# Altium PCB 1 040 1573.rev01.PcbDoc (part 2 of 3)
Units mm, origin at the board's own origin, x right, y up, seen from the top; angles counter-clockwise.
Board outline 106.1 x 59.15 mm, 2 copper layers (Top Layer, Bottom Layer); 130 components, 89 nets, 433 pads, 228 vias.
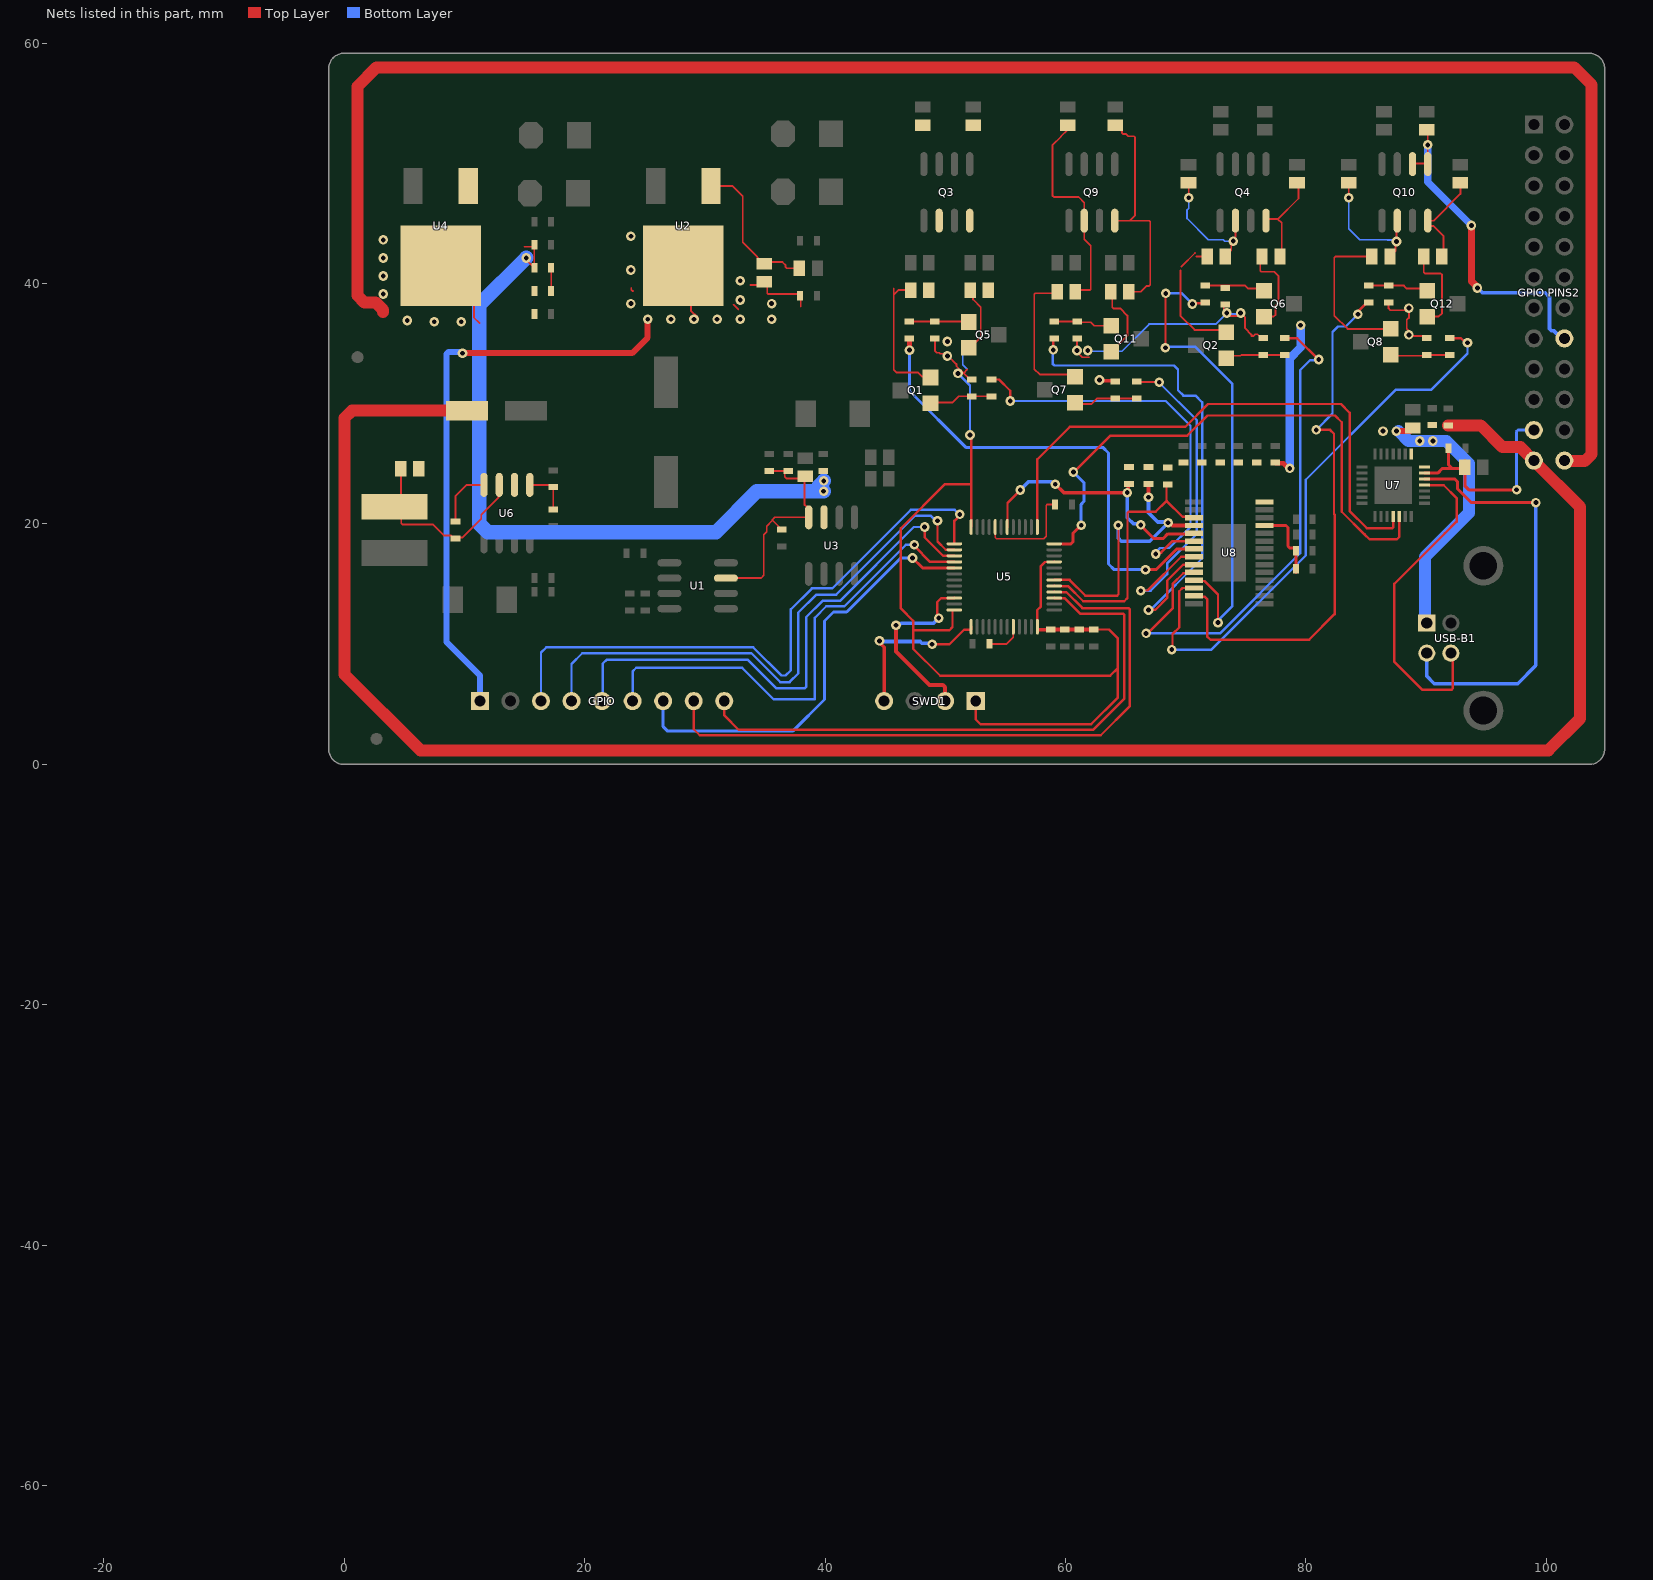
[diagram p2: the nets of this part, all layers, seen from the top]

## Via types
v1: diameter 0.8, hole 0.4, Top Layer to Bottom Layer, tented both sides, 228 vias

## Nets (pads, with @x,y where several pads share a name; then routed paths per layer and width w, separated by ;. In a path a pad name is that pad's centre, name@x,y a point inside that pad or via, vN(x,y) a via of type N, cw(c..) or ccw(c..) an arc to the next point about the centre after c; other vN are vias at no path point) (continued)
"NetGPIO PINS2_20": "GPIO PINS2.20" Q10.5 Q10.6 R48.1 | length 28.3
  Top Layer w0.152: Q10.6@88.862,49.926 88.912,49.976 90.082,49.976 Q10.5@90.132,49.926 v1(90.132,51.528) 90.132,52.708 R48.1@90.045,52.795
  Top Layer w0.6: v1(93.755,44.825) 93.755,40.179 94.255,39.679 v1(94.255,39.625)
  Bottom Layer w0.3: v1(94.255,39.625) 94.281,39.625 94.681,39.225 99.886,39.225 100.255,38.856 100.255,36.233 100.431,36.057 100.621,36.057 101.245,35.433 101.489,35.433
  Bottom Layer w0.6: v1(90.132,51.528) 90.132,48.448 v1(93.755,44.825)
NetL1_1: L1.1 R49.2 R50.1 U6.7 | length 16.3
  Top Layer w0.152: R49.2@4.705,24.586 4.73,24.561 4.73,21.976 L1.1@4.185,21.431 4.756,20.86 4.756,20.054 4.845,19.965 7.385,19.965 8.301,19.049 8.872,19.049 9.115,18.806 R50.1@9.265,18.806 9.343,18.884 9.86,18.884 11.411,20.435 11.411,20.765 12.857,22.211 12.857,23.202 U6.7@12.908,23.253
NetQ1_2: Q1.2 R9.2 R11.2 | length 5
  Top Layer w0.152: Q1.2@49.102,30.096 50.594,30.096 51.118,30.62 R11.2@52.199,30.62 R9.2@53.85,30.62
NetQ1_3: Q1.3 R14.1 | length 11.9
  Top Layer w0.152: 45.722,39.067 46.103,39.448 R14.1@47.131,39.448 ; 45.722,39.575 45.722,32.844 45.976,32.59 47.754,32.59 48.089,32.255 Q1.3@49.102,32.255
NetQ2_2: Q2.2 R10.2 R12.2 | length 4.7
  Top Layer w0.152: Q2.2@73.613,33.779 73.821,33.987 74.551,33.987 74.613,34.049 R12.2@76.456,34.049 R10.2@78.234,34.049
NetQ2_3: Q2.3 R16.1 | length 10.6
  Top Layer w0.152: 69.555,41.096 69.555,37.331 70.741,36.146 73.151,36.146 Q2.3@73.359,35.938 ; 69.655,41.425 70.768,42.538 ; 70.868,42.242 R16.1@71.781,42.242
NetQ3_2: Q3.2 R13.1 R14.2
NetQ3_4: Q3.4 R23.1 R24.2
NetQ4_2: Q4.2 R15.1 R16.2 | length 10.9
  Top Layer w0.152: R15.1@70.233,48.362 70.255,48.339 v1(70.255,47.125) ; R16.2@73.281,42.242 73.789,42.75 73.789,43.56 74.13,43.901 Q4.2@74.13,45.226
  Bottom Layer w0.152: v1(70.255,47.125) 70.255,46.258 70.106,46.108 70.106,45.417 71.884,43.639 73.122,43.639 73.252,43.509 73.665,43.509 v1@73.789,43.385
  other v1: 73.955,43.525
NetQ4_4: Q4.4 R25.1 R26.2 | length 9.1
  Top Layer w0.152: R26.2@77.841,42.369 77.98,42.508 77.98,45.036 77.663,45.353 76.67,45.353 77.662,45.353 79.377,47.068 79.377,48.362 R25.1@79.25,48.489
NetQ5_2: Q5.2 R19.2 R21.2 | length 5
  Top Layer w0.152: R19.2@46.992,36.846 49.151,36.846 51.882,36.846 Q5.2@51.993,36.735
NetQ5_3: Q5.3 R24.1 | length 5.7
  Top Layer w0.152: Q5.3@51.993,34.576 52.955,35.538 52.955,38.032 52.308,38.679 52.308,38.945 51.945,39.309 R24.1@52.084,39.448
NetQ6_2: Q6.2 R20.2 R22.2 | length 5.1
  Top Layer w0.152: R20.2@71.63,39.829 73.154,39.829 74.932,39.829 75.186,39.575 76.331,39.575 Q6.2@76.504,39.402
NetQ6_3: Q6.3 R26.1 | length 7.3
  Top Layer w0.152: R26.1@76.341,42.242 76.202,42.103 76.202,41.061 76.291,40.972 77.345,40.972 77.726,40.591 77.726,38.432 77.472,38.178 77.472,37.416 77.299,37.243 Q6.3@76.504,37.243
NetQ7_2: Q7.2 R29.2 R31.2 | length 5.1
  Top Layer w0.152: Q7.2@61.04,29.969 62.151,29.969 62.613,30.431 R31.2@64.137,30.431 R29.2@65.915,30.431
NetQ7_3: Q7.3 R34.1 | length 11.7
  Top Layer w0.152: R34.1@59.323,39.321 59.196,39.194 57.495,39.194 57.406,39.105 57.406,32.885 57.855,32.436 60.605,32.436 Q7.3@60.659,32.382
NetQ8_2: Q8.2 R30.2 R32.2 | length 5
  Top Layer w0.152: Q8.2@87.075,33.779 87.283,33.987 89.983,33.987 R32.2@90.045,34.049 R30.2@91.95,34.049
NetQ8_3: Q8.3 R36.1 | length 13.3
  Top Layer w0.152: R36.1@85.485,42.242 82.444,42.242 82.355,42.153 82.355,37.325 83.455,36.225 86.788,36.225 Q8.3@87.075,35.938
NetQ9_2: Q9.2 R33.1 R34.2 | length 17.7
  Top Layer w0.152: R33.1@60.2,52.795 60.175,52.795 59.626,52.246 59.626,52.221 58.93,51.525 58.93,47.284 59.019,47.195 61.089,47.195 61.557,46.727 Q9.2@61.557,45.226 61.557,43.679 62.105,43.131 62.105,39.537 62.016,39.448 60.95,39.448 R34.2@60.823,39.321
NetQ9_4: Q9.4 R43.1 R44.2 | length 19.4
  Top Layer w0.152: Q9.4@64.097,45.226 65.343,45.226 ; R43.1@64.137,52.795 64.543,52.795 64.711,52.627 64.711,52.514 64.8,52.425 65.055,52.425 65.234,52.246 65.69,52.246 65.788,52.148 65.788,45.671 65.343,45.226 ; R44.2@65.268,39.321 66.276,39.321 66.755,39.8 66.966,39.8 67.055,39.889 67.055,45.137 66.966,45.226 65.343,45.226
NetQ10_2: Q10.2 R35.1 R36.2 | length 11.4
  Top Layer w0.152: v1(83.555,47.125) 83.555,48.349 R35.1@83.568,48.362 ; R36.2@86.985,42.242 87.455,42.712 87.455,43.425 v1(87.523,43.493) 87.523,45.157 Q10.2@87.592,45.226
  Bottom Layer w0.152: v1(83.555,47.125) 83.555,44.54 84.457,43.639 86.743,43.639 86.758,43.624 87.081,43.624 87.28,43.425 v1@87.455,43.425
NetQ10_4: Q10.4 R45.1 R46.2 | length 8.3
  Top Layer w0.152: R46.2@91.303,42.242 91.442,42.381 91.442,43.916 90.57,44.787 90.338,44.787 90.132,44.994 Q10.4@90.132,45.226 90.616,45.226 92.839,47.449 R45.1@92.839,48.362
NetQ11_2: Q11.2 R39.2 R41.2 | length 4.9
  Top Layer w0.152: R39.2@59.057,36.846 R41.2@60.962,36.846 61.027,36.781 62.105,36.781 62.405,36.481 Q11.2@63.804,36.481
NetQ11_3: Q11.3 R44.1 | length 6.5
  Top Layer w0.152: R44.1@63.768,39.321 63.883,39.206 63.883,38.013 63.972,37.924 64.556,37.924 65.153,37.327 65.153,35.67 Q11.3@63.804,34.322
NetQ12_2: Q12.2 R40.2 R42.2 | length 5.1
  Top Layer w0.152: R40.2@85.219,39.829 R42.2@86.87,39.829 88.14,39.829 88.394,39.575 89.92,39.575 Q12.2@90.093,39.402
NetQ12_3: Q12.3 R46.1 | length 7.4
  Top Layer w0.152: R46.1@89.803,42.242 89.791,42.23 89.791,40.934 89.88,40.845 91.188,40.845 91.315,40.718 91.315,37.543 91.015,37.243 Q12.3@90.093,37.243
NetR1_2: R1.2 R2.2 U2.1 | length 12.5
  Top Layer w0.152: U2.1@30.52,48.121 32.286,48.121 33.163,47.244 33.163,43.422 34.367,42.218 34.367,42.193 34.916,41.644 R2.2@34.941,41.644 ; R2.2@35.08,41.783 36.465,41.783 36.719,41.529 36.719,41.364 36.808,41.275 R1.2@37.874,41.275
NetR4_1: R4.1 R5.2 | length 1.8
  Top Layer w0.152: R5.2@17.226,39.37 R4.1@17.226,41.148
NetR5_1: R5.1 R6.2 U4.1
NetR7_2: R7.2 U5.44 | length 3.1
  Top Layer w0.152: R7.2@53.68,10.025 55.105,10.025 55.652,10.572 55.652,11.447 U5.44@55.655,11.45
NetR8_1: R8.1 U5.20 | length 8.6
  Top Layer w0.152: U5.20@54.155,19.75 54.155,18.875 54.26,18.77 58.2,18.77 58.405,18.975 58.405,21.536 58.494,21.625 R8.1@59.105,21.625
NetR9_1: R9.1 U8.6 | length 34.6
  Top Layer w0.2: R9.1@53.85,32.02 54.46,32.02 55.405,31.075 v1(55.405,30.225) ; v1(67.505,17.5) 67.62,17.615 67.948,17.615 68.91,18.577 U8.6@70.681,18.577
  Bottom Layer w0.2: v1(55.405,30.225) 68.338,30.225 70.394,28.169 70.394,19.764 68.632,18.002 67.845,18.002 67.505,17.662 v1(67.505,17.5)
NetR10_1: R10.1 U8.10 | length 43.5
  Top Layer w0.2: v1(66.705,10.9) 66.83,10.9 68.909,12.979 68.909,15.018 69.797,15.906 70.61,15.906 U8.10@70.681,15.977 ; R10.1@78.234,35.449 79.256,35.449 81.03,33.675 v1(81.055,33.675)
  Bottom Layer w0.2: v1(66.705,10.9) 72.846,10.9 79.526,17.58 79.526,32.796 80.355,33.625 81.005,33.625 v1(81.055,33.675)
NetR19_1: R19.1 U8.7 | length 40.3
  Top Layer w0.25: v1(66.655,16.2) 67.53,16.2 69.236,17.906 70.66,17.906 U8.7@70.681,17.927
  Top Layer w0.4: R19.1@46.992,35.446 47.023,35.414 v1(47.023,34.457)
  Bottom Layer w0.25: v1(47.023,34.457) 47.023,31.057 51.705,26.375 63.098,26.375 63.567,25.906 63.567,16.679 64.046,16.2 v1(66.655,16.2)
NetR20_1: R20.1 U8.11 | length 40.3
  Top Layer w0.2: v1(68.305,34.65) 68.317,34.662 68.317,39.162 v1(68.33,39.175) ; v1(70.555,38.3) 70.619,38.364 71.565,38.364 R20.1@71.63,38.429 ; U8.11@70.681,15.327 70.752,15.256 71.565,15.256 72.68,14.141 v1(72.68,11.8)
  Bottom Layer w0.2: v1(68.305,34.65) 68.405,34.75 70.78,34.75 73.855,31.675 73.855,13.137 72.68,11.962 v1(72.68,11.8) ; v1(68.33,39.175) 69.68,39.175 v1(70.555,38.3)
NetR29_1: R29.1 U8.8 | length 28.5
  Top Layer w0.2: R29.1@65.915,31.831 65.94,31.805 67.776,31.805 v1(67.801,31.78) ; v1(66.255,14.45) 66.275,14.47 66.825,14.47 69.632,17.277 U8.8@70.681,17.277
  Bottom Layer w0.2: v1(66.255,14.45) 67.08,14.45 68.455,15.825 68.455,16.7 70.915,19.16 70.915,28.636 67.801,31.75 v1(67.801,31.78)
NetR30_1: R30.1 U8.12 | length 47.5
  Top Layer w0.2: v1(68.843,9.55) 68.901,9.609 68.901,10.846 69.455,11.4 69.455,14.4 69.732,14.677 U8.12@70.681,14.677 ; R30.1@91.95,35.449 92.894,35.449 93.268,35.075 v1(93.43,35.075)
  Bottom Layer w0.2: v1(68.843,9.55) 72.138,9.55 79.98,17.392 79.98,23.684 87.446,31.15 90.405,31.15 93.43,34.175 v1(93.43,35.075)
NetR39_1: R39.1 U8.9 | length 42.4
  Top Layer w0.2: v1(58.98,34.475) 58.98,35.296 59.068,35.384 R39.1@59.118,35.384 ; v1(66.905,12.85) 66.925,12.87 67.475,12.87 68.455,13.85 68.455,15.285 69.776,16.606 70.66,16.606 U8.9@70.681,16.627
  Top Layer w0.3: R39.1@59.057,35.446 R39.1@59.118,35.384
  Bottom Layer w0.2: v1(58.98,34.475) 58.955,34.45 58.955,33.296 59.072,33.179 69.026,33.179 69.355,32.85 69.355,31.125 69.805,30.675 70.805,30.675 71.369,30.111 71.369,17.153 67.067,12.85 v1(66.905,12.85)
NetR40_1: R40.1 U8.13 | length 45.4
  Top Layer w0.2: U8.13@70.681,14.027 70.752,13.956 71.565,13.956 71.73,13.791 71.773,13.749 71.773,10.657 72.055,10.375 80.255,10.375 82.384,12.504 82.384,20.762 82.326,20.82 82.326,27.504 82.005,27.825 v1(80.855,27.825) ; v1(84.32,37.44) 84.32,37.68 85.069,38.429 R40.1@85.219,38.429
  Bottom Layer w0.2: v1(80.855,27.825) 82.205,29.175 82.205,35.958 82.672,36.425 83.305,36.425 v1(84.32,37.44)
NetR50_2: R50.2 U6.8 | length 4.9
  Top Layer w0.152: R50.2@9.265,20.206 9.265,22.3 10.218,23.253 U6.8@11.638,23.253
NetR51_2: R51.2 R52.1 U6.5 | length 3.9
  Top Layer w0.152: U6.5@15.448,23.253 16.353,23.253 16.37,23.236 17.219,23.236 R51.2@17.393,23.062 R52.1@17.393,21.222
NetR53_1: R53.1 U5.5 U8.3 | length 21.8
  Top Layer w0.2: U5.5@59.055,14.85 59.065,14.84 59.625,14.84 59.636,14.829 60.217,14.829 61.471,13.575 64.888,13.575 65.155,13.842 65.155,20.908 65.272,21.025 67.505,21.025 68.405,21.925 69.732,20.598 70.61,20.598 U8.3@70.681,20.527 ; 68.401,21.921 68.401,23.196 R53.1@68.505,23.3
NetR55_1: R55.1 U5.6 U8.4 | length 24.1
  Top Layer w0.2: U5.6@59.055,15.35 60.338,15.35 61.642,14.046 64.288,14.046 64.405,14.163 64.405,19.875 v1(64.38,19.9)
  Top Layer w0.3: v1(66.905,22.225) R55.1@66.905,23.325 ; v1(68.53,20.1) 68.665,20.1 68.889,19.876 U8.4@70.68,19.876
  Bottom Layer w0.3: v1(64.38,19.9) 64.402,19.878 64.402,18.803 64.63,18.575 67.005,18.575 68.367,19.937 v1@68.367,20.063 ; v1(66.905,22.225) 66.905,20.939 67.68,20.164 68.302,20.164 68.367,20.1 v1(68.53,20.1)
NetR56_1: R56.1 U5.18 U8.5 | length 22.4
  Top Layer w0.2: U5.18@55.155,19.75 55.165,19.76 55.165,20.32 55.176,20.331 55.176,21.736 56.23,22.79 v1(56.23,22.825)
  Top Layer w0.25: v1(66.255,19.925) 66.255,19.875 67.355,18.775 68.103,18.775 68.509,19.181 70.635,19.181 U8.5@70.681,19.227
  Top Layer w0.3: v1(59.155,23.3) 59.842,22.612 v1(65.142,22.612) 65.211,22.681 65.211,23.256 R56.1@65.28,23.325
  Bottom Layer w0.3: v1(56.23,22.825) 56.905,23.5 58.82,23.5 59.02,23.3 v1(59.155,23.3) ; v1(65.142,22.612) 65.142,20.527 65.649,20.021 66.159,20.021 v1(66.255,19.925)
NetR57_2: R57.2 R58.2 U8.25 | length 6.2
  Top Layer w0.25: U8.25@76.557,19.877 78.325,19.877 78.501,19.701 78.501,18.159 78.677,17.983 79.055,17.983 79.155,17.883 R57.2@79.155,15.981
NetU5_12: U5.12 U7.26 | length 47
  Top Layer w0.2: v1(60.655,24.325) 60.71,24.325 63.735,27.35 70.128,27.35 71.803,29.025 82.421,29.025 82.98,28.466 82.98,21.012 84.856,19.136 84.873,19.136 85.284,18.725 87.555,18.725 87.755,18.925 U7.26@87.755,20.635
  Top Layer w0.25: 59.705,18.354 60.463,18.354 60.609,18.5 60.609,19.204 v1(61.305,19.9)
  Bottom Layer w0.25: v1(60.655,24.325) 61.526,23.454 61.526,21.862 61.305,21.641 v1(61.305,19.9)
NetU5_13: U5.13 U7.25 | length 46.9
  Top Layer w0.2: U5.13@57.659,19.975 57.659,25.379 60.355,28.075 69.955,28.075 71.855,29.975 82.905,29.975 83.63,29.25 83.63,21.075 85.065,19.64 87.166,19.64 87.255,19.729 U7.25@87.255,20.635
NetU7_4: U7.4 USB-B1.3 | length 27.3
  Top Layer w0.2: 90.305,23.221 91.459,23.221 92.53,22.15 92.53,20.2 91.555,19.225 87.355,15.025 87.355,8.525 89.68,6.2 92.088,6.2 92.205,6.317 92.205,9.095 USB-B1.3@92.045,9.255
NetU7_5: U7.5 USB-B1.2 | length 35.8
  Top Layer w0.25: U7.5@89.845,23.725 90.953,23.725 90.955,23.727 92.392,23.727 92.605,23.514 92.605,22.925 93.755,21.775 v1(99.119,21.775)
  Bottom Layer w0.3: USB-B1.2@90.045,9.255 90.045,7.354 90.674,6.725 97.605,6.725 99.119,8.239 v1(99.119,21.775)
PA8: GPIO.7 U5.29 | length 36.6
  Top Layer w0.25: v1(47.28,17.175) 48.105,16.35 U5.29@50.755,16.35
  Bottom Layer w0.25: GPIO.7@26.54,5.275 26.54,3.14 26.88,2.8 37.351,2.8 39.955,5.404 39.955,11.925 40.705,12.675 41.805,12.675 46.305,17.175 v1(47.28,17.175)
PB12: GPIO.3 U5.25 | length 51.5
  Top Layer w0.2: U5.25@50.755,18.35 50.755,20.26 51.205,20.71 v1(51.205,20.8)
  Bottom Layer w0.2: GPIO.3@16.38,5.275 16.38,9.3 16.83,9.75 34.022,9.75 36.376,7.396 36.726,7.396 37.155,7.825 37.155,12.9 38.904,14.649 40.604,14.649 47.13,21.175 50.788,21.175 51.163,20.8 v1(51.205,20.8)
PB13: GPIO.4 U5.26 | length 47.2
  Top Layer w0.2: v1(49.355,20.275) 49.355,18.548 50.043,17.86 50.745,17.86 U5.26@50.755,17.85
  Bottom Layer w0.2: GPIO.4@18.92,5.275 18.92,8.365 19.805,9.25 33.88,9.25 36.28,6.85 37.055,6.85 37.78,7.575 37.78,12.625 39.28,14.125 40.93,14.125 47.505,20.7 48.768,20.7 49.193,20.275 v1(49.355,20.275)
PB14: GPIO.5 U5.27 | length 43.9
  Top Layer w0.2: v1(48.28,19.75) 48.28,18.9 49.83,17.35 U5.27@50.755,17.35
  Bottom Layer w0.2: GPIO.5@21.505,5.32 21.505,8.375 21.855,8.725 33.555,8.725 35.955,6.325 38.313,6.325 38.43,6.442 38.43,12.25 39.788,13.608 41.238,13.608 47.38,19.75 v1(48.28,19.75)
PB15: GPIO.6 U5.28 | length 40.4
  Top Layer w0.2: v1(47.43,18.275) 47.43,18.165 48.745,16.85 U5.28@50.755,16.85
  Bottom Layer w0.2: GPIO.6@24,5.275 24,7.745 24.305,8.05 33.105,8.05 35.726,5.429 39.155,5.429 39.155,12.2 40.109,13.154 41.607,13.154 46.728,18.275 v1(47.43,18.275)
PC14: GPIO.9 U5.3 | length 49.5
  Top Layer w0.2: GPIO.9@31.505,5.265 31.63,5.14 31.63,4.075 32.826,2.879 62.301,2.879 64.901,5.479 64.901,12.429 64.784,12.546 61.216,12.546 59.921,13.84 59.065,13.84 U5.3@59.055,13.85
PC15: GPIO.8 U5.4 | length 54.8
  Top Layer w0.2: GPIO.8@29.08,5.275 29.08,2.925 29.58,2.425 62.93,2.425 65.355,4.85 65.355,12.883 65.238,13 61.404,13 60.075,14.329 59.636,14.329 59.625,14.34 59.065,14.34 U5.4@59.055,14.35
SWCLK: SWD1.2 U5.34 | length 15.4
  Top Layer w0.2: v1(49.455,12.175) 49.34,12.29 49.34,13.51 49.67,13.84 50.745,13.84 U5.34@50.755,13.85
  Top Layer w0.3: v1(45.905,11.575) 45.905,9.4 48.692,6.613 49.804,6.613 49.98,6.437 49.98,5.29 SWD1.2@49.995,5.275
  Bottom Layer w0.3: v1(45.905,11.575) 46.001,11.671 46.26,11.671 46.331,11.742 49.021,11.742 v1(49.455,12.175)
SWDIO: SWD1.4 U5.37 | length 13.6
  Top Layer w0.2: v1(48.905,10) 50.355,10 51.555,11.2 52.132,11.2 52.155,11.223 U5.37@52.155,11.45
  Top Layer w0.3: v1(44.53,10.275) 44.53,10.14 44.915,9.755 SWD1.4@44.915,5.275
  Bottom Layer w0.3: v1(44.53,10.275) 44.578,10.227 47.905,10.227 48.055,10.077 48.828,10.077 v1(48.905,10)
UART3V3: "GPIO PINS2.11" C22.2 C23.2 U7.6 | length 18.7
  Top Layer w0.25: U7.6@89.845,24.225 90.955,24.225 91.358,24.628 92.152,24.628 ; C23.2@91.867,26.289 91.867,24.913 92.152,24.628 ; C22.2@93.205,25.183 C22.2@93.205,24.725 ; C22.2@93.205,25.261 C22.2@93.205,24.725 ; v1(97.516,22.84) 93.536,22.84 93.205,23.171 93.205,24.628 C22.2@93.205,24.725 ; 92.152,24.628 93.108,24.628 C22.2@93.205,24.725
  Bottom Layer w0.25: v1(97.516,22.84) 97.493,22.863 97.493,27.667 97.639,27.813 98.949,27.813
VBUS: "GPIO PINS2.12" C18.1 C24.2 C25.1 C26.2 R49.1 U6.6 U7.7 U7.8 USB-B1.1 | length 192.8
  Top Layer w0.5: v1@87.705,27.725 88.631,27.725 C24.2@88.891,27.985
  Top Layer w1: C18.1@10.232,29.427 0.657,29.427 0.03,28.8 0.03,7.5 6.355,1.175 100.155,1.175 102.805,3.825 102.805,21.417 98.949,25.273 97.822,26.4 96.33,26.4 94.53,28.2 C26.2@91.825,28.2
  Bottom Layer w1: v1@87.705,27.725 88.53,26.9 91.676,26.9 93.555,25.021 93.555,20.925 89.88,17.25 89.88,11.92 USB-B1.1@90.045,11.755
  other v1: 89.455,26.9 90.555,26.9 86.405,27.725 87.515,27.725
VCC3V3: C7.2 C14.2 C15.2 C16.2 C17.2 C28.2 C29.1 C30.2 C31.2 C32.2 C33.2 GPIO.1 R2.1 R11.1 R12.1 R21.1 R22.1 R31.1 R32.1 R41.1 R42.1 R53.2 R55.2 R56.2 SWD1.1 U2.2 U5.9 U5.24 U5.36 U5.48 U8.28 | length 198.9
  Top Layer w0.152: 23.892,39.624 23.892,39.497 24.019,39.37 ; U2.2@28.22,41.471 28.845,40.846 28.845,37.729 29.399,37.175 29.124,37.175 29.099,37.15 28.78,37.15 v1@28.755,37.125 ; 32.401,38.227 32.782,37.846 ; 33.798,39.878 34.675,39.878 R2.1@34.941,40.144 ; R2.1@35.195,39.89 35.195,39.205 35.284,39.116 37.797,39.116 C7.2@37.924,38.989 37.989,38.924 37.989,38.1 ; R21.1@49.151,35.446 49.151,34.368 49.278,34.241 49.511,34.241 49.587,34.165 49.916,34.165 50.099,33.982 50.099,33.969 v1(50.181,33.969) 50.263,33.969 50.931,33.301 50.931,33.137 51.523,32.545 ; 51.832,32.855 51.523,32.545 ; R11.1@52.199,32.02 52.049,32.02 51.523,32.545 ; R41.1@60.962,35.446 60.955,35.439 v1(60.955,34.425) 60.955,34.29 61.385,33.86 61.958,33.86 ; R22.1@73.154,38.429 73.154,37.797 73.662,37.289 74.843,37.289 74.932,37.2 74.932,36.273 75.455,35.749 75.455,35.625 75.63,35.625 75.79,35.785 75.969,35.785 76.306,35.449 R12.1@76.456,35.449 ; R42.1@86.87,38.429 86.87,37.924 87.018,37.775 88.205,37.775 88.256,37.826 88.38,37.826 v1@88.405,37.8 ; v1@88.38,37.775 v1@88.405,37.8 ; v1(88.555,37.95) v1@88.405,37.8 ; R32.1@90.045,35.449 89.871,35.623 88.857,35.623 88.755,35.725 88.755,35.863 88.38,36.238 88.38,36.968 88.555,37.143 88.555,37.651 v1@88.405,37.8
  Top Layer w0.2: U5.36@50.755,12.85 50.628,12.85 50.605,12.827 50.605,11.425 50.33,11.15 47.334,11.15 47.33,11.146 ; v1(52.055,27.4) 52.145,27.31 52.145,23.291 ; U5.24@52.145,19.9 52.145,23.291 ; U5.24@52.155,19.75 U5.24@52.155,19.877 ; SWD1.1@52.535,5.275 52.535,3.745 52.93,3.35 62.13,3.35 64.355,5.575 64.355,8.025 ; U5.48@57.655,11.45 57.655,12.85 57.955,13.15 57.955,16.5 58.295,16.84 59.045,16.84 U5.9@59.055,16.85 ; C17.2@62.355,11.225 63.605,11.225 64.355,10.475 64.355,8.025 ; 47.33,11.146 47.33,11.95 46.305,12.975 46.305,19.65 49.946,23.291 52.145,23.291 ; 47.33,11.146 47.33,9.625 49.58,7.375 63.705,7.375 64.355,8.025
  Top Layer w0.3: U5.48@57.678,11.2 58.75,11.2 C14.2@58.775,11.225 C15.2@59.93,11.225 C16.2@61.13,11.225 C17.2@62.355,11.225 ; v1(62.83,31.975) 62.902,31.903 64.064,31.903 R31.1@64.137,31.831
  Top Layer w0.4: C30.2@77.429,25.095 77.479,25.045 78.127,25.045 78.547,24.625 v1(78.655,24.625)
  Top Layer w0.5: v1(9.855,34.2) 23.955,34.2 25.255,35.5 v1(25.255,37.025)
  Bottom Layer w0.152: 51.548,35.125 51.459,35.036 51.459,33.244 51.832,32.87 51.832,32.855 ; v1@62.105,34.368 64.698,34.368 66.955,36.625 72.49,36.625 v1(73.408,37.543) ; v1@73.408,37.465 v1@74.565,37.465
  Bottom Layer w0.2: v1(51.055,32.525) 52.055,31.525 v1(52.055,27.4)
  Bottom Layer w0.5: v1(9.855,34.2) 9.759,34.296 9.024,34.296 9.02,34.3 8.681,34.3 8.505,34.124 8.505,10.2 11.3,7.405 GPIO.1@11.3,5.275
  Bottom Layer w0.7: v1(78.655,24.625) 78.655,33.782 79.555,34.682 v1(79.555,36.525)
  other v1: 61.855,34.425 50.181,35.179 88.555,35.725 27.18,37.025 29.105,37.025 31.03,37.025 32.955,37.025 35.555,37.025 74.565,37.543 23.855,38.325 35.555,38.325 32.955,38.625 32.955,40.225 23.855,41.125 23.855,43.925
VCC5V: C9.2 C11.2 C12.2 R3.2 U1.3 U3.8 | length 19.2
  Top Layer w0.152: U1.3@31.762,15.498 34.678,15.498 34.905,15.725 34.905,19.1 35.155,19.35 35.155,19.822 35.635,20.302 ; C12.2@35.381,24.407 36.651,24.407 36.651,23.92 36.778,23.793 C9.2@38.163,23.793 ; R3.2@36.397,19.54 35.635,20.302 ; C9.2@38.302,23.932 38.302,21.585 38.643,21.244 U3.8@38.643,20.555 35.826,20.555 35.635,20.364 35.635,20.302
VCC12V: "GPIO PINS2.24" C2.2 C13.2 R4.2 U3.7 U4.2 | length 221.7
  Top Layer w0.152: U4.2@8.027,41.471 10.811,38.687 10.811,37.169 11.255,36.725 ; 15.002,43.053 15.826,43.053 R4.2@15.826,41.298 ; v1@15.155,41.825 15.298,41.825 15.522,41.601 ; 15.523,41.601 R4.2@15.826,41.298 ; R4.2@15.826,41.148 R4.2@15.826,41.298
  Top Layer w1: 3.255,37.625 3.255,37.796 2.626,38.425 1.691,38.425 1.105,39.011 1.105,56.375 2.705,57.975 102.305,57.975 103.755,56.525 103.755,25.811 103.169,25.225 101.537,25.225 101.489,25.273
  Bottom Layer w1.2: v1(15.155,42.125) 11.255,38.225 11.255,20.028 11.958,19.325 30.932,19.325 34.332,22.725 v1(39.88,22.725) ; 39.461,23.144 v1(39.898,23.581)
  other v1: 7.505,36.825 9.755,36.825 5.255,36.925 3.255,39.125 3.255,40.625 3.255,42.125 3.255,43.625
pads on no net: Designator12.Fiducial Designator13.Fiducial U5.1 U5.2 U5.7 U5.14 U5.15 U5.16 U5.17 U5.21 U5.22 U5.32 U5.33 U5.38 U5.39 U5.40 U5.41 U5.42 U5.43 U7.1 U7.2 U7.9 U7.10 U7.11 U7.12 U7.13 U7.14 U7.15 U7.16 U7.17 U7.18 U7.19 U7.20 U7.21 U7.22 U7.23 U7.24 U7.27 U7.28 U8.14 U8.15 U8.16 U8.17 U8.18 U8.19 U8.20 U8.21 U8.22 U8.23 U8.27

## Polygon pours and split planes (outlines as drawn)
GND on Bottom Layer "GND_L02_P298" (solid, remove dead copper, pour order 298): 0.205,59.2 103.51,59.2 104.83,57.88 104.83,1.27 103.56,0 0,0 -1.27,1.27 -1.27,57.88
PC14 on Bottom Layer "PC14_L02_P306" (solid, pour order 306): 32.475,6.75 32.825,6.4 32.825,4.175 32.55,3.9 30.805,3.9 30.576,4.129 30.576,6.571 30.755,6.75
PC15 on Bottom Layer "PC15_L02_P305" (solid, pour order 305): 29.935,6.75 30.285,6.4 30.285,4.175 30.01,3.9 28.265,3.9 28.036,4.129 28.036,6.571 28.215,6.75
PA8 on Bottom Layer "PA8_L02_P304" (solid, pour order 304): 27.395,6.75 27.745,6.4 27.745,4.175 27.47,3.9 25.725,3.9 25.496,4.129 25.496,6.571 25.675,6.75
PB15 on Bottom Layer "PB15_L02_P303" (solid, pour order 303): 24.855,6.75 25.205,6.4 25.205,4.175 24.93,3.9 23.185,3.9 22.956,4.129 22.956,6.571 23.135,6.75
PB14 on Bottom Layer "PB14_L02_P302" (solid, pour order 302): 22.36,6.795 22.71,6.445 22.71,4.22 22.435,3.945 20.69,3.945 20.461,4.174 20.461,6.616 20.64,6.795
PB13 on Bottom Layer "PB13_L02_P301" (solid, pour order 301): 19.775,6.75 20.125,6.4 20.125,4.175 19.85,3.9 18.105,3.9 17.876,4.129 17.876,6.571 18.055,6.75
PB12 on Bottom Layer "PB12_L02_P300" (solid, pour order 300): 17.235,6.75 17.585,6.4 17.585,4.175 17.31,3.9 15.485,3.9 15.11,4.275 15.11,6.55 15.31,6.75
VCC3V3 on Bottom Layer "VCC3V3_L02_P299" (solid, pour order 299): 12.155,6.75 12.505,6.4 12.505,4.175 12.23,3.9 10.405,3.9 10.03,4.275 10.03,6.55 10.23,6.75
NetC6_2 on Bottom Layer "NETC6_2_L02_P295" (solid, pour order 295): 100.924,28.969 102.869,28.969 103.211,28.627 103.211,27.023 102.942,26.755 100.968,26.755 100.661,27.062 100.661,28.705
NetC8_2 on Bottom Layer "NETC8_2_L02_P294" (solid, pour order 294): 100.974,31.469 102.919,31.469 103.261,31.127 103.261,29.523 102.992,29.255 101.018,29.255 100.711,29.562 100.711,31.205
NetC3_2 on Bottom Layer "NETC3_2_L02_P293" (solid, pour order 293): 100.328,33.905 102.273,33.905 102.615,33.564 102.615,31.96 102.346,31.691 100.372,31.691 100.065,31.999 100.065,33.642
"NetGPIO PINS2_17" on Bottom Layer "NETGPIO_PINS2_17_L02_P291" (solid, pour order 291): 100.974,44.469 102.919,44.469 103.261,44.127 103.261,42.523 103.065,42.327 101.205,42.327 100.711,42.821 100.711,44.205
"NetGPIO PINS2_4" on Bottom Layer "NETGPIO_PINS2_4_L02_P290" (solid, pour order 290): 97.868,46.737 99.813,46.737 100.155,46.395 100.155,44.986 99.869,44.7 97.861,44.7 97.605,44.956 97.605,46.473
"NetGPIO PINS2_3" on Bottom Layer "NETGPIO_PINS2_3_L02_P289" (solid, pour order 289): 97.868,49.277 99.813,49.277 100.155,48.935 100.155,47.331 99.886,47.063 97.912,47.063 97.605,47.37 97.605,49.013
"NetGPIO PINS2_2" on Bottom Layer "NETGPIO_PINS2_2_L02_P288" (solid, pour order 288): 97.868,51.817 99.813,51.817 100.155,51.475 100.155,49.871 99.886,49.603 97.912,49.603 97.605,49.91 97.605,51.553
"NetGPIO PINS2_1" on Bottom Layer "NETGPIO_PINS2_1_L02_P287" (solid, pour order 287): 97.868,54.357 99.813,54.357 100.155,54.015 100.155,52.411 99.886,52.143 97.912,52.143 97.605,52.45 97.605,54.093
LINTx on Bottom Layer "LINTX_L02_P267" (solid, pour order 267): 47.109,15.967 47.934,15.967 48.234,15.667 48.234,14.817 48.034,14.617 47.059,14.617 46.834,14.842 46.834,15.692
LINRx on Bottom Layer "LINRX_L02_P261" (solid, pour order 261): 47.554,13.967 48.379,13.967 48.679,13.667 48.679,12.974 48.322,12.617 47.504,12.617 47.279,12.842 47.279,13.692
SWCLK on Bottom Layer "SWCLK_L02_P259" (solid, pour order 259): 48.959,12.867 49.784,12.867 50.084,12.567 50.084,11.717 49.884,11.517 48.909,11.517 48.684,11.742 48.684,12.592
SWDIO on Bottom Layer "SWDIO_L02_P257" (solid, pour order 257): 48.409,10.692 49.234,10.692 49.534,10.392 49.534,9.542 49.334,9.342 48.359,9.342 48.134,9.567 48.134,10.417
SWCLK on Bottom Layer "SWCLK_L02_P255" (solid, pour order 255): 45.621,12.185 46.446,12.185 46.746,11.885 46.746,11.035 46.546,10.835 45.571,10.835 45.346,11.06 45.346,11.91
LINTx on Bottom Layer "LINTX_L02_P253" (solid, pour order 253): 44.947,15.229 45.772,15.229 46.072,14.929 46.072,14.079 45.872,13.879 44.897,13.879 44.672,14.104 44.672,14.954
LINRx on Bottom Layer "LINRX_L02_P251" (solid, pour order 251): 43.959,13.217 44.784,13.217 45.084,12.917 45.084,12.067 44.884,11.867 43.909,11.867 43.684,12.092 43.684,12.942
SWDIO on Bottom Layer "SWDIO_L02_P249" (solid, pour order 249): 44.034,10.899 44.859,10.899 45.159,10.599 45.159,9.749 44.959,9.549 43.984,9.549 43.759,9.774 43.759,10.624
CANRx on Bottom Layer "CANRX_L02_P247" (solid, pour order 247): 41.509,10.142 42.334,10.142 42.634,9.842 42.634,8.992 42.434,8.792 41.459,8.792 41.234,9.016 41.234,9.867
CANTx on Bottom Layer "CANTX_L02_P245" (solid, pour order 245): 41.259,8.517 42.084,8.517 42.384,8.217 42.384,7.367 42.184,7.167 41.209,7.167 40.984,7.392 40.984,8.242
CANRx on Bottom Layer "CANRX_L02_P243" (solid, pour order 243): 34.209,14.342 35.034,14.342 35.334,14.042 35.334,13.192 35.134,12.992 34.159,12.992 33.934,13.217 33.934,14.067
CANRx on Bottom Layer "CANRX_L02_P240" (solid, pour order 240): 33.052,16.447 33.052,17.678 32.38,18.35 31.005,18.35 30.105,17.45 30.105,16.475 30.551,16.029 32.634,16.029
LINEN on Bottom Layer "LINEN_L02_P239" (solid, pour order 239): 41.445,12.225 42.27,12.225 42.57,11.925 42.57,11.075 42.37,10.875 41.395,10.875 41.17,11.1 41.17,11.95
CANRx on Bottom Layer "CANRX_L02_P237" (solid, pour order 237): 54.517,9.67 55.342,9.67 55.642,9.37 55.642,8.52 55.442,8.32 54.467,8.32 54.242,8.545 54.242,9.395
CANTx on Bottom Layer "CANTX_L02_P235" (solid, pour order 235): 56.735,9.311 57.56,9.311 57.86,9.011 57.86,8.161 57.66,7.961 56.685,7.961 56.46,8.186 56.46,9.036
NetR40_1 on Bottom Layer "NETR40_1_L02_P207" (solid, pour order 207): 83.844,38.217 84.683,38.217 84.976,37.924 84.976,37.118 84.731,36.874 83.874,36.874 83.576,37.171 83.576,37.949
NetR56_1 on Bottom Layer "NETR56_1_L02_P225" (solid, pour order 225): 65.668,20.54 66.73,20.54 66.912,20.359 66.912,19.554 66.667,19.309 65.809,19.309 65.511,19.606 65.511,20.384
NetR55_1 on Bottom Layer "NETR55_1_L02_P224" (solid, pour order 224): 68.103,20.925 68.845,20.925 69.187,20.584 69.187,19.657 68.93,19.4 68.03,19.4 67.787,19.643 67.787,20.609
NetR55_1 on Bottom Layer "NETR55_1_L02_P222" (solid, pour order 222): 66.6,23.172 67.098,23.172 67.562,22.709 67.562,21.904 67.317,21.659 66.459,21.659 66.162,21.956 66.162,22.734
NetR56_1 on Bottom Layer "NETR56_1_L02_P220" (solid, pour order 220): 64.555,23.277 65.618,23.277 65.799,23.096 65.799,22.291 65.554,22.046 64.696,22.046 64.399,22.344 64.399,23.121
NetR56_1 on Bottom Layer "NETR56_1_L02_P218" (solid, pour order 218): 55.643,23.455 56.705,23.455 56.887,23.273 56.887,22.468 56.642,22.223 55.784,22.223 55.487,22.521 55.487,23.298
NetR39_1 on Bottom Layer "NETR39_1_L02_P217" (solid, pour order 217): 58.368,35.115 59.43,35.115 59.612,34.934 59.612,34.129 59.367,33.884 58.509,33.884 58.212,34.181 58.212,34.959
NetR20_1 on Bottom Layer "NETR20_1_L02_P214" (solid, pour order 214): 67.793,35.208 68.855,35.208 69.036,35.027 69.036,34.222 68.791,33.977 67.934,33.977 67.636,34.274 67.636,35.052
NetR20_1 on Bottom Layer "NETR20_1_L02_P212" (solid, pour order 212): 70.128,39.125 70.87,39.125 71.212,38.784 71.212,37.979 70.967,37.734 70.109,37.734 69.812,38.031 69.812,38.809
NetR20_1 on Bottom Layer "NETR20_1_L02_P211" (solid, pour order 211): 67.928,40 68.645,40 68.999,39.646 68.999,38.841 68.754,38.596 67.896,38.596 67.599,38.894 67.599,39.671
NetR30_1 on Bottom Layer "NETR30_1_L02_P209" (solid, pour order 209): 93.003,35.9 93.745,35.9 94.087,35.559 94.087,34.754 93.842,34.509 92.984,34.509 92.686,34.806 92.686,35.584
NetR10_1 on Bottom Layer "NETR10_1_L02_P205" (solid, pour order 205): 80.418,34.29 81.48,34.29 81.662,34.109 81.662,33.304 81.417,33.059 80.559,33.059 80.261,33.356 80.261,34.134
NetC27_2 on Bottom Layer "NETC27_2_L02_P203" (solid, pour order 203): 75.393,31.644 76.455,31.644 76.637,31.463 76.637,30.658 76.392,30.413 75.534,30.413 75.237,30.71 75.237,31.488
GND on Bottom Layer "GND_L02_P201" (solid, pour order 201): 70.442,32.937 71.007,32.937 71.437,32.506 71.437,31.701 71.192,31.456 70.335,31.456 70.037,31.754 70.037,32.531
NetR29_1 on Bottom Layer "NETR29_1_L02_P199" (solid, pour order 199): 67.399,32.6 68.091,32.6 68.458,32.234 68.458,31.429 68.081,31.053 67.486,31.053 67.057,31.481 67.057,32.259
NetR40_1 on Bottom Layer "NETR40_1_L02_P197" (solid, pour order 197): 80.268,28.49 81.33,28.49 81.512,28.309 81.512,27.504 81.267,27.259 80.409,27.259 80.112,27.556 80.112,28.334
UART3V3 on Bottom Layer "UART3V3_L02_P195" (solid, pour order 195): 96.928,23.505 97.991,23.505 98.172,23.324 98.172,22.519 97.927,22.274 97.07,22.274 96.772,22.571 96.772,23.349
NetU7_5 on Bottom Layer "NETU7_5_L02_P193" (solid, pour order 193): 98.469,22.413 99.532,22.413 99.713,22.232 99.713,21.382 99.513,21.182 98.61,21.182 98.313,21.479 98.313,22.257
NetU7_5 on Bottom Layer "NETU7_5_L02_P191" (solid, pour order 191): 89.04,10.17 90.715,10.17 90.965,9.92 90.965,7.97 90.695,7.7 89.235,7.7 88.79,8.145 88.79,9.92
VBUS on Bottom Layer "VBUS_L02_P190" (solid, pour order 190): 89.505,13.55 90.28,13.55 90.98,12.85 90.98,10.9 90.68,10.6 89.28,10.6 88.805,11.075 88.805,12.85
NetR56_1 on Bottom Layer "NETR56_1_L02_P189" (solid, pour order 189): 58.489,23.915 59.551,23.915 59.732,23.733 59.732,22.883 59.532,22.683 58.63,22.683 58.332,22.981 58.332,23.758
NetU5_12 on Bottom Layer "NETU5_12_L02_P187" (solid, pour order 187): 60.153,24.895 61.216,24.895 61.397,24.714 61.397,23.864 61.197,23.664 60.294,23.664 59.997,23.961 59.997,24.739
LIN_NRES on Bottom Layer "LIN_NRES_L02_P185" (solid, pour order 185): 60.868,17.151 61.931,17.151 62.112,16.97 62.112,16.12 61.912,15.92 60.937,15.92 60.712,16.145 60.712,16.995
LINEN on Bottom Layer "LINEN_L02_P183" (solid, pour order 183): 61.387,18.87 62.212,18.87 62.512,18.57 62.512,17.72 62.312,17.52 61.337,17.52 61.112,17.745 61.112,18.595
NetU5_12 on Bottom Layer "NETU5_12_L02_P181" (solid, pour order 181): 60.767,20.6 61.592,20.6 61.892,20.3 61.892,19.45 61.692,19.25 60.717,19.25 60.492,19.475 60.492,20.325
VCC3V3 on Bottom Layer "VCC3V3_L02_P178" (solid, pour order 178): 60.004,36.781 62.749,36.781 62.83,36.7 62.754,36.624 62.754,33.826 62.555,33.627 62.555,33.625 60.955,33.625 60.004,34.576
VBUS on Bottom Layer "VBUS_L02_P172" (solid, pour order 172): 85.83,28.55 88.105,28.55 88.38,28.275 88.38,27.2 88.205,27.025 85.805,27.025 85.555,27.275 85.555,28.275
VCC3V3 on Bottom Layer "VCC3V3_L02_P116" (solid, pour order 116): 43 vertices, not listed, extent 23.257,31.714 91.155,45.525
NetC3_2 on Bottom Layer "NETC3_2_L02_P169" (solid, pour order 169): 47.264,27.875 48.855,27.875 49.28,27.45 49.28,26.1 49.055,25.875 47.28,25.875 46.705,26.45 46.705,27.349
GND on Bottom Layer "GND_L02_P168" (solid, pour order 168): 91.105,22.625 91.73,22.625 92.155,22.2 92.155,21.175 91.905,20.925 91.038,20.925 90.855,21.108 90.855,22.375
GND on Bottom Layer "GND_L02_P165" (solid, pour order 165): 82.067,21.35 82.317,21.1 82.317,18.625 81.992,18.3 81.167,18.3 80.917,18.55 80.917,21.025 81.242,21.35
NetR30_1 on Bottom Layer "NETR30_1_L02_P160" (solid, pour order 160): 69.23,10.3 69.53,10 69.53,9.425 69.055,8.95 68.355,8.95 68.13,9.175 68.13,10.025 68.405,10.3
NetR10_1 on Bottom Layer "NETR10_1_L02_P158" (solid, pour order 158): 67.158,11.528 67.458,11.228 67.458,10.653 66.983,10.178 66.283,10.178 66.058,10.403 66.058,11.253 66.333,11.528
NetR39_1 on Bottom Layer "NETR39_1_L02_P157" (solid, pour order 157): 67.368,13.488 67.668,13.188 67.668,12.613 67.193,12.138 66.493,12.138 66.268,12.363 66.268,13.213 66.543,13.488
NetR29_1 on Bottom Layer "NETR29_1_L02_P155" (solid, pour order 155): 66.548,15.217 66.848,14.917 66.848,14.092 66.623,13.867 65.673,13.867 65.448,14.092 65.448,14.942 65.723,15.217
NetR9_1 on Bottom Layer "NETR9_1_L02_P150" (solid, pour order 150): 67.119,18.148 68.482,18.148 68.658,17.972 68.658,17.75 67.869,16.961 67.157,16.961 66.807,17.311 66.807,17.836 67.119,18.148
NetR9_1 on Bottom Layer "NETR9_1_L02_P153" (solid, pour order 153): 56.055,29.625 55.83,29.4 55.13,29.4 54.755,29.775 54.755,30.425 55.146,30.816 55.771,30.816 56.055,30.531
GND on Bottom Layer "GND_L02_P148" (solid, pour order 148): 13.055,21.75 16.08,21.75 16.504,21.326 16.504,19.949 15.88,19.325 13.33,19.325 12.605,20.05 12.605,21.3
VCC12V on Bottom Layer "VCC12V_L02_P147" (solid, pour order 147): 39.688,24.925 40.155,24.925 40.755,24.325 40.755,22.6 40.18,22.025 39.53,22.025 39.13,22.425 39.13,24.367
GND on Bottom Layer "GND_L02_P146" (solid, pour order 146): 17.78,27.15 18.13,26.8 18.13,24.675 17.905,24.45 16.78,24.45 16.555,24.675 16.555,26.875 16.83,27.15
GND on Bottom Layer "GND_L02_P144" (solid, pour order 144): 68.73,44.5 69.38,44.5 69.655,44.225 69.655,43.325 69.43,43.1 68.63,43.1 68.005,43.725 68.005,44.017
GND on Bottom Layer "GND_L02_P138" (solid, pour order 138): 66.18,38.275 66.18,37.6 66.53,37.25 67.38,37.25 67.78,37.65 67.78,38.275 67.455,38.6 66.505,38.6
NetR19_1 on Bottom Layer "NETR19_1_L02_P135" (solid, pour order 135): 65.73,16.4 66.13,16.8 67.13,16.8 67.53,16.4 67.53,15.9 67.13,15.5 66.23,15.5 65.73,16
NetR19_1 on Bottom Layer "NETR19_1_L02_P133" (solid, pour order 133): 47.555,35.125 47.755,34.925 47.755,34.125 47.355,33.725 46.555,33.725 46.255,34.025 46.255,34.925 46.455,35.125
GND on Bottom Layer "GND_L02_P131" (solid, pour order 131): 54.092,38.437 55.242,38.437 55.767,37.912 55.767,37.137 55.418,36.788 54.092,36.788 53.567,37.312 53.567,37.912
GND on Bottom Layer "GND_L02_P129" (solid, pour order 129): 65.055,43.625 66.055,43.625 66.355,43.325 66.355,41.225 65.955,40.825 65.055,40.825 64.755,41.125 64.755,43.325 65.055,43.625
GND on Bottom Layer "GND_L02_P128" (solid, pour order 128): 44.13,42.725 47.555,42.725 47.881,42.399 47.881,41.051 47.655,40.825 44.105,40.825 43.755,41.175 43.755,42.35
GND on Bottom Layer "GND_L02_P126" (solid, pour order 126): 53.255,43.725 54.055,43.725 54.355,43.425 54.355,41.125 54.155,40.925 53.255,40.925 52.955,41.225 52.955,43.425